# KiCad board beaglebone-ai-rev-a2.kicad_pcb (continued)
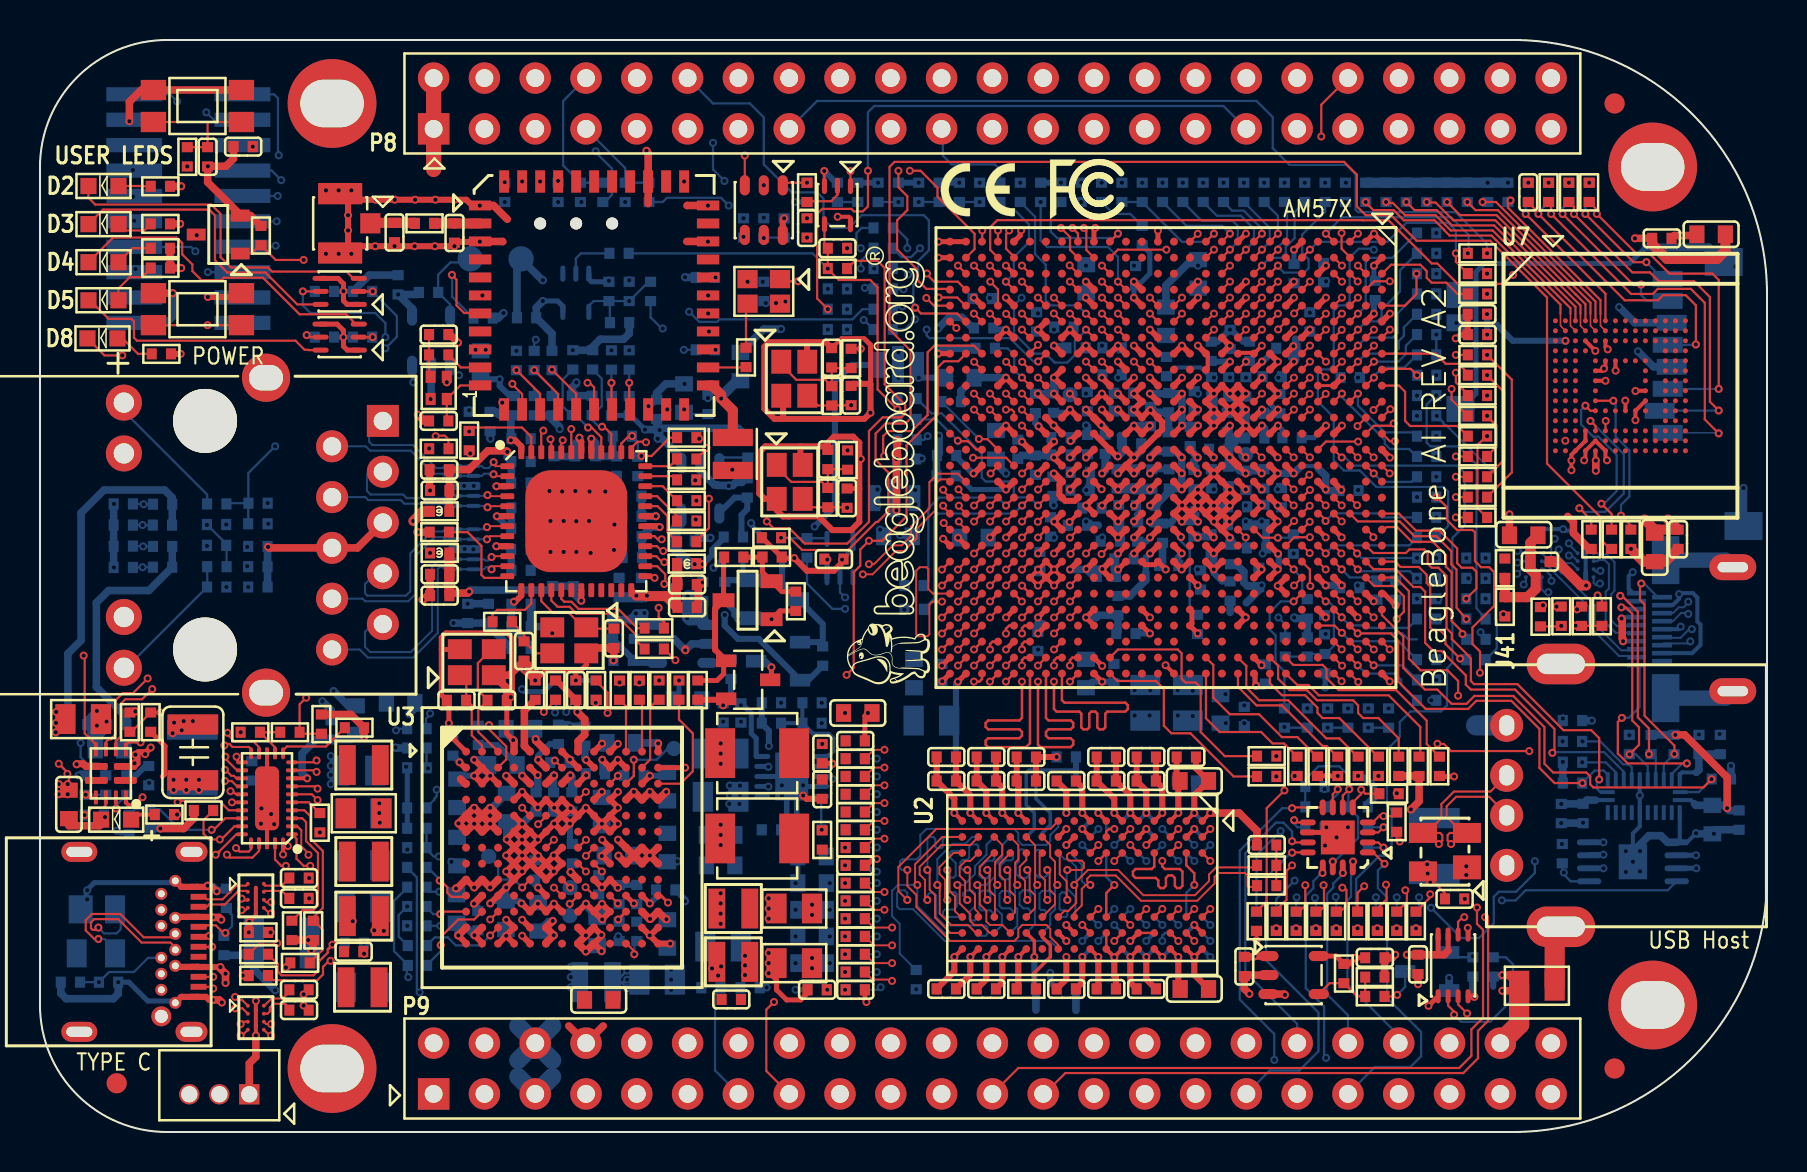
[diagram p0: board, top side]
## Routing (per net, layer and track width the routed paths; a pad name or vN(x,y) marks a point on that pad's centre or on a via; arc(x,y) is an arc through that point) (continued)
  BOTTOM w0.203: U2.B1 v1(57.72,15.95) U11.A9 ; U92.B2 U92.B1 74.7,29.59 75.26,30.15 v1(76.16,30.15) 76.24,30.07 76.66,30.07 77.29,29.44 U91.B1 U91.B2 ; U2.T9 v1(45.72,8.75) ; U2.J2 v1(51.32,14.35) ; U2.B9 v1(57.72,8.75) ; U5.5 v1(80,16.83) U5.18 80,15.28 79.65,14.94 79.65,14.02 ; U2.P9 v1(47.32,8.75) ; U2.M9 v1(48.92,8.75) ; J91.16 81.64,26.35 81.97,26.67 v1(81.97,26.9) 82.02,26.95 82.65,26.95 82.88,26.72 82.88,25.53 83.03,25.37 83.03,24.36 82.62,23.95 J91.4 ; 79.89,25.75 J91.13 79.24,25.75 79.18,25.69 79.16,25.69 79.15,25.68 79.09,25.68 v1(79.09,25.68) ; v1(53.72,8.74) 53.72,8.75 U2.G9 ; U11.D1 v1(55.32,8.75) U11.E1 ; U2.P1 v1(47.32,15.95) ; C215.2 58.52,37.74 58.04,38.23 56.79,38.23 56.35,37.8 C210.2 ; U2.G1 v1(52.92,15.95) ; v1(82.04,25.27) 81.91,25.15 J91.10 ; U2.E2 v1(55.32,15.15) U11.D8 ; U2.M1 v1(48.92,15.95) ; U2.T1 v1(45.72,15.95) ; v1(79.16,24.54) 79.17,24.55 J91.7 79.89,24.55 ; v1(82.81,14.94) 82.36,14.49 U48.1 82,14.64 U5.13 ; U11.F9 v1(54.52,15.95) ; U2.E8 v1(54.52,9.55) ; U2.J8 v1(51.32,10.35)
  BOTTOM w0.254: C272.2 66.7,42.63 66.7,43.32 v1(66.71,43.33) ; R387.2 v1(15.18,39.75) R389.2 ; C91.2 C90.2 38.13,13.78 C92.2 C8.2 ; J42.B1 6.67,6.55 5.38,6.55 4.44,7.49 v1(3.91,7.49) ; v1(31.95,22.58) 31.95,21.59 C461.2 ; v1(62.71,44.12) 62.71,44.12 C259.2 ; U1.4 38.16,17.28 v1(38.16,17.34) ; U91.B2 77.29,27.36 v1(77.32,27.33) ; C267.2 v1(64.26,22.23) ; U8.3 39.35,28.46 39.37,28.47 v1(39.37,28.63) ; C495.2 27.58,42.52 27.45,42.66 U90.3 ; v1(37.1,17.34) 37.1,17.78 U1.8 ; v1(41.85,13.02) 41.66,13.02 41.34,13.34 C153.1 ; v1(35.56,30.45) 35.56,30.35 36.09,29.82 C69.2 ; C320.1 v1(26.8,22.58) ; C41.1 v1(37.78,7.11) ; v1(30.49,9.83) 29.84,10.48 R103.1 ; v1(64.3,35.33) 63.7,34.72 C242.2 ; C492.2 51.21,39.33 v1(50.7,39.33) ; R661.2 32.79,42.75 v1(32.26,42.75) ; R392.2 15.18,42.04 ; 15.18,42.04 R390.2 ; 15.18,42.04 v1(15.18,42.05) ; R182.2 v1(67.79,26.34) ; 61.54,35.94 C245.2 61.54,36.36 ; R533.2 9.3,12.14 8.86,12.14 8.69,12.32 v1(8.38,12.32) ; J42.B12 6.68,12.47 2.72,12.47 2.36,12.12 v1(2.36,12.09) 2.31,12.04 2.31,11.41 D78.1
  BOTTOM w0.305: v1(57.72,8.75) 57.72,7.87 C39.2 ; v1(30.5,17.81) 31.2,17.81 C115.2 ; R596.2 39.8,47.47 v1(39.22,48.06) ; v1(53.72,8.74) 53.72,7.8 53.8,7.71 C40.2 ; C24.2 54.52,16.84 v1(54.52,15.95) ; C133.2 28.12,17.92 v1(28.12,18.62) ; C202.2 55.6,33.14 C193.2 ; R22.1 48.92,7.24 v1(48.92,8.75) ; v1(45.72,15.95) 45.72,16.67 C22.2 C18.2 ; v1(56.12,15.95) 56.12,17.24 C25.2 ; 72.67,7.26 R708.2 73.05,7.77 v1(73.13,7.85) ; v1(45.72,8.75) 45.72,8.04 C9.2 ; C170.2 23.3,12.21 v1(23.31,12.23) ; C170.2 22.63,11.55 v1(22.51,11.43) ; C170.2 23.96,11.55 v1(24.08,11.43) ; C36.2 55.32,7.64 v1(55.32,8.75) ; 53.15,22.52 53.63,22.52 C162.2 ; v1(60.29,25.73) 60.29,25.79 ; C19.2 47.32,17.07 v1(47.32,15.95) ; v1(26.5,15.42) 26.5,14.4 C145.2 ; C121.2 R107.1 ; C196.2 20.86,17.81 v1(21.71,17.81) ; C483.2 5.27,18.3 4.8,17.83 C44.2 ; v1(57.72,15.95) 57.72,17.47 C100.2 ; C23.2 48.92,17.47 v1(48.92,15.95) ; v1(32.26,11.54) 32.26,11.62 C117.2 ; C180.2 52.61,22.52 v1(53.11,22.52) ; C2.2 v1(22.99,37.64) 22.99,37.31 23.5,36.8 C137.2 ; C277.2 60.17,39.52 59.57,40.13 v1(59.5,40.13) 58.9,39.52 C276.2 ; C230.2 47.32,7.64 v1(47.32,8.75) ; C114.2 31.39,13.49 31.83,13.49 v1(31.88,13.54) ; C20.2 51.32,17.07 v1(51.32,15.95) ; v1(2.84,20.32) v1(2.84,21.06) ; R690.2 v1(43.94,47.47)
  BOTTOM w0.381: 30.43,36.25 v1(30.43,36.3) 30.76,36.63 C82.2 30.84,36.96 31.29,37.41 C3.2 v1(32.23,37.41) ; v1(37.06,40.16) 36.19,40.16 C464.2 ; R100.2 46.05,37.06 C37.2 46.72,37.73 v1(48.3,37.73) ; v1(50.7,37.73) 50.7,36.95 C148.2 50.66,36.92 C136.2 ; C169.2 23.34,15.51 ; 23.34,15.51 v1(23.34,14.63) ; 23.34,15.51 24.02,15.51 v1(24.11,15.41) 24.72,16.02 C157.2 ; U9.2 19.56,36.68 v1(19.53,36.65) ; 21.21,32.31 v1(21.21,32.31) 21.21,32.31 ; 21.21,32.31 21.21,32.31 ; 21.21,32.31 U17.3 v1(21.69,32.31) ; U48.1 81.39,14.49 81.06,14.82 80.45,14.82 79.65,14.02 v1(79.65,13.51) ; C34.2 3.36,20.54 v1(2.84,21.06) 2.36,20.57 C457.2 ; C34.2 3.36,20.23 2.97,19.84 2.97,19.33 C33.2 ; C34.2 2.9,20.37 v1(2.84,20.32) ; R572.1 v1(65.41,15.24) v1(64.33,15.24) R571.2 ; v1(28.1,11.41) 28.09,11.4 28.09,11.17 27.77,10.85 27.3,11.32 v1(27.3,11.42) ; v1(6.64,41.95) 6.64,40.78 6.32,40.46 P2.20 ; v1(76.07,15.45) C497.2 76.08,15.45 C32.2 v1(77.17,15.47) ; 33.02,33.47 U16.2 33.02,33.07 33.73,32.36 33.86,32.36 33.88,32.33 34.42,32.33 v1(34.44,32.31) 34.47,32.33 34.65,32.33 34.8,32.49 35.1,32.49 35.31,32.69 R135.2 ; v1(11.76,7.09) 10.69,8.15 C29.2 10.08,8.84 D46.1 ; J90.6 79.75,40.47 v1(78.97,41.25) ; R104.1 30.49,17.83 v1(30.5,17.81) ; C190.2 55.8,35.99 C200.2 56.44,35.01 C199.2 ; v1(23.66,19.6) 23.31,19.95 C164.2 ; C184.2 53.26,33.08 v1(53.11,32.93) ; v1(2.84,20.32) 2.77,20.24 C33.2 ; v1(2.84,20.32) 2.79,20.37 C457.2 ; v1(21.72,9.84) 21.13,10.44 C194.2 20.92,10.38 v1(20.92,9.83) ; v1(21.71,18.61) 22.18,18.61 C172.2 22.51,18.28 v1(22.51,17.81) ; C126.2 30.89,19.46 v1(30.91,19.43) ; C33.2 2.55,19.34 2.55,20.18 C457.2 ; C171.2 55.07,34.09 v1(54.71,33.73) ; C77.2 31.7,24.66 v1(32.27,24.09) 32.59,24.41 U15.2 ; v1(53.91,28.93) 53.73,28.75 C179.2 53.73,28.12 53.81,28.03 ; v1(21.67,29.14) 21.25,29.14 v1(21.23,29.16) 21.22,29.14 U18.8 ; C149.2 50.65,31.38 v1(50.69,31.34) ; C30.2 82.84,14.91 v1(82.81,14.94) ; C30.2 83.83,15.12 C31.2 ; C30.2 v1(83.71,14.91) ; R390.2 16.46,42.85 C27.2 ; C152.2 26.41,20.37 v1(26.49,20.29) C134.2 ; R534.2 1.04,6.93 1.31,6.66 3.67,6.66 3.91,6.91 v1(3.91,7.49) ; v1(25.62,24.94) 25.29,25.27 C85.2 C86.2 ; C237.2 61.16,22.31 v1(60.81,22.31) ; v1(32.26,42.75) 32.27,42.74 R661.2 ; v1(3.7,28.23) R77.2 R78.2 R73.2 3.68,31.39 v1(3.7,31.41) R72.2 ; C119.2 53.9,25.01 C204.2 52.94,25.84 52.83,25.73 v1(52.31,25.73) ; v1(14.12,21.54) 14.55,21.11 C28.2 ; 60.73,30.4 C236.2 61.32,30.3 C254.2 ; 59.84,33.22 59.99,33.07 C279.2 61.13,33.07 C273.2 ; C216.2 59.84,34.6 ; C216.2 59.43,34.6 ; C216.2 59.43,33.8 v1(59.49,33.73) 59.44,33.68 C223.2 ; v1(25.15,42.6) 25.13,42.6 TP5.1 23.85,43.46 C84.2 ; R98.2 v1(42.86,34.61) 42.85,34.59 R99.2 ; 60.33,26.47 60.95,27.09 C235.2 60.89,27.31 60.38,27.31 60.2,27.48 60.2,28.02 59.82,28.4 C112.2 ; 38.13,15.62 C92.2 37.66,14.6 ; C205.2 57.7,33.54 v1(57.89,33.73) 57.51,34.11 C203.2 ; C187.2 54.89,30.86 ; R166.2 v1(11.42,30.42) ; C274.2 62.79,39.65 ; C274.2 62.79,38.61 v1(62.7,38.53) ; C274.2 62.58,38.73 ; v1(59.5,35.33) 59.37,35.19 C217.2 59.66,34.71 C234.2 ; v1(50.71,34.53) 50.57,34.66 C106.2 ; C224.2 59.51,25.98 ; v1(52.32,32.1) C109.2 52.5,32.11 C108.2 52.37,32.99 v1(52.31,32.93) ; 53.15,22.52 v1(53.11,22.52) ; C198.2 56.3,42.33 57.6,43.63 C208.2 ; v1(44.91,38.92) 45.18,39.19 R112.2 ; C178.2 53.86,32.98 v1(53.91,32.93) ; C197.2 56.13,28.51 C201.2 56.09,28.34 v1(56.29,28.13) ; C123.2 44.83,33.81 R7.1 44.96,33.93 v1(44.96,34.82) ; Q17.2 v1(70.47,7.7) ; 53.81,28.03 C174.2 ; 53.81,28.03 v1(53.91,28.13) ; v1(52.3,35.34) 52.38,35.26 C159.2 ; v1(26.82,37.49) 26.82,37.44 26.62,37.24 R187.2 R181.2 ; C466.2 66.4,16.41 66.67,16.68 66.67,17.31 66.27,17.7 ; C211.2 58.45,29.78 C206.2 ; C125.2 46.63,40.21 46.1,40.74 45.47,40.74 v1(44.91,40.18) ; U17.8 21.21,32.31 ; R10.1 49.07,33.83 C138.2 50.54,33.83 C107.2 50.71,33.73 v1(50.71,33.73) ; v1(33.53,29.72) 33.5,29.69 32.87,29.69 C83.2 ; C233.2 C245.2 ; R659.2 71.65,6.83 v1(71.73,6.76) ; v1(48.3,35.33) 48.06,35.08 C116.2 ; C498.2 v1(82.96,19.88) ; C135.2 v1(21.39,26.42) ; C158.2 52.92,30.34
  BOTTOM w1.016: 73.34,20.34 71.82,20.34
  vias: v1(2.36,11.63) v1(3.33,20.52) v1(4.65,48.11) v1(4.65,46.77) v1(4.71,45.57) v1(4.78,43.15) v1(6.71,20.47) v1(6.63,19.94) v1(7.09,20.09) v1(7.19,20.55) v1(7.65,20.55) v1(8.25,45.54) v1(9.31,30.38) v1(9.68,4.39) v1(10.04,19.99) v1(10.36,29.26) v1(10.36,28.3) v1(11.07,16.18) v1(11.05,15.42) v1(11.56,15.9) v1(11.71,15.39) v1(14.3,47.09) v1(14.3,43.92) v1(14.55,36.4) v1(14.94,47.09) v1(14.94,43.92) v1(15.57,47.09) v1(15.57,43.92) v1(16.21,12.14) v1(16.21,9.45) v1(16.21,8.92) v1(16.64,12.14) v1(16.69,9.4) v1(16.71,8.92) v1(16.84,20.31) v1(16.97,16.43) v1(16.97,15.95) v1(16.99,15.47) v1(17.02,19.81) v1(17.09,12.14) v1(17.17,9.4) v1(17.17,8.92) v1(17.3,20.32) v1(17.55,12.14) v1(17.83,6.86) v1(18.16,6.48) v1(18.37,14.12) v1(18.36,10.31) v1(20.57,13.51) v1(21.51,33.93) v1(22,46.33) v1(23.22,39.6) v1(25.48,32.05) v1(25.53,30.56) v1(25.53,29.01) v1(25.91,46.51) v1(26.11,32.03) v1(26.19,30.56) v1(26.19,29.01) v1(26.77,32.05) v1(26.82,30.55) v1(26.82,29.01) v1(27.48,32.03) v1(27.46,30.56) v1(27.53,28.96) v1(28.27,32.03) v1(28.7,29.11) v1(28.73,30.38) v1(28.91,9.79) v1(29.97,22.48) v1(30.96,22.58) v1(31.56,8.13) v1(31.56,7.62) v1(31.56,7.11) v1(31.67,46.25) v1(32.89,20.57) v1(32.89,15.62) v1(32.89,14.1) v1(32.89,12.57) v1(32.89,10.41) v1(32.89,8.13) v1(32.89,6.6) v1(33.4,46.33) v1(33.4,44.53) v1(35.18,45.69) v1(35.38,42.52) v1(36.19,47.35) v1(36.19,45.72) v1(36.14,42.52) v1(37.06,21.46) v1(37.1,16.83) v1(37.78,12.45) v1(37.78,11.11) v1(37.78,9.78) v1(37.78,8.45) v1(38.35,45.69) v1(38.61,11.37) v1(38.61,10.86) v1(38.61,8.7) v1(38.61,8.19) v1(39.09,21.46) v1(39.09,20.45) v1(39.12,19.41) v1(40.26,20.96) v1(40.36,44.2) v1(41.85,19.56) v1(42.93,38.99) v1(42.93,37.72) v1(43.29,27.25) v1(43.22,26.12) v1(43.81,7.14) v1(46.99,47.47) v1(47.5,41.71) v1(49.9,40.94) v1(49.91,24.13) v1(50.7,40.13) v1(50.71,29.73) v1(52.07,47.47) v1(52.3,43.33) v1(52.3,36.93) v1(52.31,30.53) v1(53.09,47.47) v1(53.1,39.33) v1(53.11,29.73) v1(53.9,37.73) v1(54.7,43.33) v1(54.74,22.1) v1(55.12,47.47) v1(55.52,22.1) v1(56.89,22.1) v1(57.15,47.47) v1(57.65,22.07) v1(57.9,43.33) v1(57.9,36.93) v1(57.89,28.13) v1(58.17,47.47) v1(58.7,37.73) v1(58.69,32.13) v1(59.18,47.47) v1(59.28,21.89) v1(59.5,37.73) v1(60.2,47.47) v1(60.3,37.73) v1(60.29,31.33) v1(60.29,30.53) v1(61.09,30.53) v1(61.09,27.34) v1(61.21,47.47) v1(61.14,28.93) v1(61.89,32.13) v1(61.82,18.8) v1(61.93,37.72) v1(62.23,47.47) v1(62.69,28.93) v1(63.25,47.47) v1(63.37,21.18) v1(64.31,42.55) v1(64.29,24.91) v1(64.26,14.33) v1(64.83,14.73) v1(65.9,37.73) v1(65.91,32.11) v1(65.89,27.33) v1(65.91,17.81) v1(66.42,16.26) v1(67.74,29.77) v1(69.93,26.64) v1(71.25,11.66) v1(71.32,13.28) v1(71.32,12.85) v1(74.02,38) v1(74.42,47.47) v1(76.28,34.57) v1(77.55,32.46) v1(79.3,14.05) v1(79.3,13) v1(80.01,14.05) v1(80.01,13.03) v1(80.42,33.17) v1(81.51,32.11) v1(82.52,33.22)
eMMC_RSTn: length 8.4
  TOP w0.114: U7.K5 77.53,36.07 v1(77.28,36.32) ; v1(78.08,31.42) 78.59,30.91 R56.2
  BOTTOM w0.114: v1(78.08,31.42) 78.21,31.42 78.84,32.05 78.84,33.86 77.93,34.77 77.67,34.77 77.06,35.38 77.06,36.11 v1(77.28,36.32)
F2_GPIO4_1: length 11
  TOP w0.114: U4.F2 v1(63.5,44.13) ; R686.1 70.8,43.52 v1(70.8,43.94)
  BOTTOM w0.114: v1(63.5,44.13) 63.89,44.51 67.37,44.51 68.33,45.47 70.41,45.47 70.8,45.07 v1(70.8,43.94)
F4_UART10_RTSN: length 40.6
  TOP w0.114: U4.F4 v1(63.5,42.53)
  SIG_L10 w0.102: v1(63.5,42.53) 63.87,42.16 64.52,42.16 64.72,41.96 64.72,40.79 64.44,40.51 64.19,40.51 63.89,40.21 63.89,34.88 64.44,34.33 64.44,33.55 65.05,32.94 65.71,32.94 67.06,31.6 67.06,25.4 67.88,24.57 67.88,20.66 66.62,19.41 65.1,19.41 63.63,17.93 63.63,13.79 62.79,12.95 62.48,12.95 62.36,12.83 62.36,11.61 62.61,11.35 63.42,11.35 63.75,11.68 v1(63.75,11.71)
  BOTTOM w0.114: v1(63.75,11.71) 63.8,11.66 R635.1
F5_GPIO4_9: length 34.4
  TOP w0.114: U4.F5 v1(62.71,40.93)
  SIG_L8 w0.102: v1(62.71,40.93) 62.7,40.93 62.29,41.34 62.29,41.91 62.04,42.16 61.72,42.16 61.47,42.42 61.47,43.5 61.21,43.75 60.96,43.75 60.71,44.01 60.71,45.09 60.22,45.57 53.87,45.57 53.59,45.85 46.93,45.85 46.35,46.42 46.35,47.75 45.82,48.29 44.04,48.29 43.69,48.64 39.31,48.64 38.73,49.21 38.73,51.44 P8.18
F8_LCD_DATA6: length 15.7
  TOP w0.114: U4.F8 v1(63.5,39.33)
  INT_L3 w0.102: v1(63.5,39.33) 63.87,39.69 67.81,39.69 68.14,40.02 68.14,45.85 67.94,46.04 P8.39
F9_LCD_DATA5: length 19.8
  TOP w0.114: U4.F9 v1(63.5,38.53)
  INT_L3 w0.102: v1(63.5,38.53) 63.9,38.93 67.58,38.93 68.45,39.8 68.45,46.1 68.77,46.42 68.77,48.6 69.16,49 69.16,51.38 P8.42
F10_LCD_DATA2: length 20.4
  TOP w0.114: U4.F10 v1(63.5,37.73)
  INT_L3 w0.102: v1(63.5,37.73) 63.5,37.72 63.89,37.34 67.26,37.34 69.44,39.52 69.44,45.29 69.98,45.82 69.98,48.26 70.56,48.84 71.7,48.84 P8.43
F11_VOUT1_D0: length 11.7
  TOP w0.114: R662.1 v1(70.8,31.75) ; U4.F11 v1(63.49,36.92)
  SIG_L8 w0.102: v1(63.49,36.92) 63.49,36.65 64.4,35.74 65.99,35.74 66.74,34.99 68.21,34.99 69.09,34.11 69.09,32.46 69.42,32.13 70.42,32.13 v1(70.8,31.75)
F12_GPIO5_3: length 28.7
  TOP w0.114: U4.F12 v1(63.5,36.13) ; R633.1 61.82,11.1 62.33,11.61 62.33,13.06 v1(62.61,13.34)
  SIG_L10 w0.102: v1(62.61,13.34) 63.37,14.1 63.37,18.05 65.85,20.52 65.85,21.65 65.48,22.02 65.48,32.25 65.21,32.51 65.15,32.51 64.13,33.53 64.13,34.16 63.12,35.18 63.12,35.69 63.5,36.07 v1(63.5,36.13)
F14_TIMER12: length 49.7
  TOP w0.114: U4.F14 63.49,33.74 v1(63.5,33.74)
  SIG_L8 w0.102: v1(63.5,33.74) 63.49,33.74 62.87,34.35 62.04,34.35 61.55,34.84 61.55,35.48 61.28,35.75 60.95,35.75 60.71,35.99 60.71,36.23 60.42,36.51 60.13,36.51 59.86,36.79 59.86,37.1 59.65,37.31 59.4,37.31 59.12,37.59 59.12,37.85 58.86,38.1 58.61,38.1 58.26,38.45 58.26,39.47 58.05,39.68 58.05,41.28 58.26,41.5 58.26,41.87 58.05,42.08 57.68,42.08 56.77,42.99 55.81,42.99 55.63,42.99 54.88,43.74 50.05,43.74 49.72,44.07 46.89,44.07 45.39,45.57 40.28,45.57 39.98,45.26 37.08,45.26 36.8,45.54 36.8,46.15 36.25,46.71 34,46.71 33.27,47.43 33.27,47.94 32.78,48.44 28.35,48.44 27.79,49 v1(27.79,49.05)
  BOTTOM w0.114: R68.1 28.24,46.51 28.6,46.86 28.6,48.18 27.79,49 v1(27.79,49.05)
F20_UART10_TXD: length 42.7
  TOP w0.114: U4.F20 63.12,29.33 v1(63.49,28.95)
  SIG_L5 w0.102: v1(63.49,28.95) 63.49,28.23 63.91,27.81 63.91,27.08 63.37,26.54 63.37,25.27 62.66,24.56 61.01,24.56 58.9,22.45 58.9,19.58 59.94,18.54 59.94,13.36 62.69,10.62 63.11,10.62 63.31,10.41 63.31,10.07 61.4,8.16 60.08,8.16 59.05,7.13 52.57,7.13 52.07,6.63 49.81,6.63 P9.24
G6_GPIO4_0: length 15.3
  TOP w0.114: U4.G6 v1(61.91,40.13) ; R684.1 v1(70.8,33.78)
  SIG_L8 w0.102: v1(61.91,40.13) 61.91,39.81 62.29,39.43 62.29,39.08 62.46,38.91 62.88,38.91 63.12,38.67 63.12,38.35 63.31,38.16 63.63,38.16 63.91,37.88 63.91,37.57 64.13,37.34 67.44,37.34 68.53,36.25 71.04,36.25 71.17,36.12 71.17,34.15 v1(70.8,33.78)
G10_VOUT1_D1: length 14.9
  TOP w0.114: R664.1 v1(70.8,30.73) ; U4.G10 v1(62.7,37.73)
  SIG_L8 w0.102: v1(62.7,37.73) 63.09,37.34 63.63,37.34 63.88,37.08 63.88,36.64 64.52,36 66.23,36 66.67,35.56 67.12,35.56 67.35,35.79 67.84,35.79 69.47,34.16 69.47,32.58 69.66,32.39 70.93,32.39 71.18,32.13 71.18,31.12 v1(70.8,30.73)
G11_LCD_DATA3: length 25.6
  TOP w0.114: U4.G11 v1(62.7,36.93)
  INT_L3 w0.102: v1(62.7,36.93) 62.77,36.93 63.14,36.55 67.03,36.55 70.28,39.8 70.28,44.75 70.71,45.19 70.71,47.52 71.81,48.62 73.56,48.62 74.14,49.2 74.14,51.21 73.03,52.32 P8.44
G12_GPIO5_2: length 28.2
  TOP w0.114: U4.G12 v1(62.7,36.13) ; v1(62.23,17.08) 61.34,16.19 61.34,11.53 R636.1
  SIG_L10 w0.102: v1(62.7,36.13) 62.7,35.09 63.88,33.91 63.88,33.45 64.71,32.63 64.71,29.64 64.35,29.29 64.15,29.29 63.88,29.02 63.88,27.1 63.53,26.75 63.53,22.76 62.89,22.12 62.89,19.84 62.23,19.18 v1(62.23,17.08)
G14_TIMER11: length 42.4
  TOP w0.114: U4.G14 v1(62.69,33.73)
  SIG_L8 w0.102: v1(62.69,33.73) 62.34,34.09 61.79,34.09 60.71,35.18 60.71,35.5 60.52,35.69 60.13,35.69 59.88,35.94 59.88,36.26 59.66,36.48 59.65,36.48 59.34,36.48 59.09,36.73 59.09,37.12 58.86,37.34 58.55,37.34 58.29,37.59 58.29,37.91 57.53,38.67 57.53,40.26 57.82,40.54 57.82,41.3 57.55,41.57 57.55,41.83 56.62,42.76 55.46,42.76 55.29,42.93 50.1,42.93 49.28,43.75 46.85,43.75 45.26,45.34 40.41,45.34 39.43,44.35 37.61,44.35 36.58,45.39 36.58,45.95 36.09,46.43 34.54,46.43 v1(34.44,46.33)
  BOTTOM w0.114: v1(34.44,46.33) 34.06,46.72 31.35,46.72 31.14,46.51 R67.1
G16_UART8_CTSN: length 13.4
  TOP w0.114: U4.G16 v1(62.69,32.13)
  INT_L3 w0.102: v1(62.69,32.13) 62.79,32.13 63.2,31.72 67.48,31.72 68.17,32.41 70.89,32.41 71.22,32.08 71.22,30.61 70.83,30.22 70.83,29.2 v1(71.32,28.7)
G17_SPI2_D0: length 22.6
  TOP w0.114: U4.G17 v1(62.69,31.33)
  SIG_L10 w0.102: v1(62.69,31.33) 63.12,30.91 63.12,22.83 62.59,22.3 62.59,20.1 61.34,18.86 61.34,17.27 61.98,16.64 61.98,15.11 v1(62.04,15.05)
  BOTTOM w0.114: v1(62.04,15.05) 60.83,13.84 R637.1
G19_CAN1_RX: length 52.8
  TOP w0.114: U4.G19 62.3,30.15 v1(62.71,30.56)
  SIG_L10 w0.102: v1(29.26,46.51) 29.34,46.51 29.77,46.94 34.97,46.94 36.72,48.69 60.78,48.69 61.72,47.75 61.72,46.69 62.32,46.08 62.32,36.69 62.11,36.48 61.76,36.48 61.54,36.27 61.54,35.05 62.31,34.28 62.31,30.96 v1(62.71,30.56)
G20_CAN1_TX: length 58.6
  TOP w0.114: U4.G20 62.72,29.74 v1(63.5,29.74)
  SIG_L10 w0.102: v1(27.08,46.51) 27.08,46.56 27.69,47.17 34.87,47.17 36.63,48.92 62.31,48.92 62.69,48.54 62.69,46.38 63.12,45.94 63.12,36.84 62.85,36.57 62.58,36.57 62.32,36.31 62.32,35.14 63.14,34.33 63.14,33.58 63.42,33.3 63.7,33.3 63.91,33.1 63.91,30.15 v1(63.5,29.74)
GPIO3_7: length 46.5
  TOP w0.114: Q18.1 10.58,43.93 11,44.35 R700.1 11.79,43.61 v1(13.18,43.61) ; U4.AH6 45.5,40.53 v1(45.82,40.21)
  SIG_L8 w0.102: v1(13.18,43.61) 13.41,43.38 21.59,43.38 22.78,44.58 22.78,47.78 23.24,48.23 25.81,48.23 26.7,47.35 26.7,46.28 26.85,46.13 27.25,46.13 27.58,45.8 27.58,45.11 27.86,44.83 30.45,44.83 31.62,43.66 34.09,43.66 34.77,42.98 34.77,41.2 35.41,40.56 40.51,40.56 41.05,40.03 43.56,40.03 43.84,39.75 45.36,39.75 v1(45.82,40.21)
GPIO3_14: length 32.3
  TOP w0.114: U4.AG3 v1(45.9,43.33) ; v1(16.64,39.75) T1.2
  SIG_L5 w0.102: v1(45.9,43.33) 45.89,43.31 42.67,43.31 42.39,43.59 23.93,43.59 22.57,42.23 19.16,42.23 16.69,39.75 v1(16.64,39.75)
  BOTTOM w0.114: R387.1 v1(16.64,39.75)
GPIO3_15: length 43.6
  TOP w0.114: U4.AG5 46.27,41.33 45.87,41.73 v1(44.94,41.73) ; v1(13.33,39.85) 13.44,39.75 T1.5
  SIG_L5 w0.102: v1(13.33,39.85) 13.8,40.32 15.58,40.32 17.74,42.48 22.42,42.48 23.75,43.81 44.26,43.81 44.54,44.09 45.19,44.09 45.47,43.81 47.55,43.81 47.88,43.48 47.88,43.17 47.88,43.16 47.88,42.35 47.69,42.16 45.37,42.16 v1(44.94,41.73)
  BOTTOM w0.114: R389.1 13.44,39.75 v1(13.33,39.85)
GPIO3_17: length 40.2
  TOP w0.114: U4.AF6 v1(46.7,40.93) ; v1(13.14,42.04) T2.5
  SIG_L5 w0.102: v1(17.27,39.75) 18.95,41.43 22.61,41.43 24.31,43.13 36.75,43.13 38.25,41.63 41.53,41.63 42.88,40.28 43.9,40.28 44.58,40.96 46.67,40.96 v1(46.7,40.93)
  BOTTOM w0.114: R392.1 v1(13.14,42.04) 13.14,41.34 13.53,40.96 16.76,40.96 17.27,40.45 v1(17.27,39.75)
GPIO3_18: length 29.5
  TOP w0.114: v1(23.11,36.47) 23.21,36.38 U37.12 ; U4.AF3 v1(46.7,43.33)
  INT_L3 w0.102: v1(46.7,43.33) 46.23,42.85 45.03,42.85 44.2,43.69 28.32,43.69 24.28,39.65 24.28,37.16 23.6,36.47 v1(23.11,36.47)
GPIO3_20: length 33.6
  TOP w0.114: v1(47.12,45.09) 47.12,44.54 U4.AF1 ; v1(20.6,42.86) 20.6,42.85 20.83,42.62 20.83,41.34 21.21,40.96 21.99,40.96 U37.7
  SIG_L5 w0.102: v1(47.12,45.09) 46.74,45.09 46.67,45.15 41.01,45.15 40.69,44.83 40.26,44.83 39.55,44.12 23.65,44.12 22.4,42.88 20.62,42.88 20.61,42.86 v1(20.6,42.86)
  BOTTOM w0.114: R338.2 20.61,41.77 20.61,42.85 v1(20.6,42.86)
GPIO3_21: length 27.3
  TOP w0.114: U4.AE3 v1(47.5,43.33)
  SIG_L5 w0.102: v1(22.12,41.83) 22.58,41.83 24.1,43.36 37.67,43.36 38.23,42.8 41.63,42.8 41.91,42.52 46.7,42.52 v1(47.5,43.33)
GPIO3_22: length 20.5
  TOP w0.114: v1(47.52,42.52) 47.9,42.14 U4.AE5
  SIG_L8 w0.102: v1(47.52,42.52) 46.1,42.52 45.47,43.15 45.47,43.89 45.26,44.09 44.68,44.09 44.35,43.76 36.58,43.76 35.74,44.6 35.74,45.01 35.48,45.27 34.69,45.27 34.26,45.69 32.73,45.69 32.21,46.21 v1(32.21,47.53)
GPIO3_23: length 31.1
  TOP w0.114: v1(23.62,37.41) 23.62,37.39 24.11,36.9 U37.13 ; U4.AE1 v1(47.9,45.09)
  INT_L3 w0.102: v1(23.62,37.41) 23.6,37.41 23.42,37.59 23.42,39.17 28.26,44.01 38.54,44.01 39.45,44.91 46.09,44.91 46.42,44.58 47.4,44.58 v1(47.9,45.09)
GPIO5_18: length 57.1
  TOP w0.114: v1(56.32,44.13) 53.9,44.13 U4.V2
  SIG_L8 w0.102: v1(76.2,12.98) 76.45,13.23 76.45,13.64 78.64,15.83 78.64,28.91 76.75,30.8 74.71,30.8 74.4,30.49 71.69,30.49 71.48,30.71 71.48,36.22 71.22,36.47 68.68,36.47 68.2,36.96 68.2,37.78 67.82,38.16 64.13,38.16 63.94,38.35 63.94,38.67 63.69,38.93 63.37,38.93 63.12,39.18 63.12,39.5 62.86,39.75 62.55,39.75 62.29,40 62.29,40.29 62.07,40.52 60.96,40.52 60.71,40.77 60.71,43.18 60.21,43.68 59.26,43.68 59.06,43.88 59.06,44.27 58.85,44.48 56.68,44.48 v1(56.32,44.13)
  BOTTOM w0.114: 76.23,13.01 v1(76.2,12.98) 76.12,13.06 R516.1 ; 76.23,13.01 76.23,12.85 76.54,12.54 U48.5 ; 76.23,13.01 76.17,13.06
GPIO5_19: length 62.5
  TOP w0.114: U4.Y1 51.9,44.93 v1(51.63,45.21) ; v1(26.14,34.59) 26.07,34.53 U14.44 ; v1(19.79,34.8) 19.81,34.82 20.24,34.82 20.43,34.64 R475.1
  SIG_L5 w0.102: v1(19.79,34.8) 18.92,34.8 18.41,35.31 18.41,36.53 15.6,39.34 13.21,39.34 12.7,39.85 12.7,42.21 13.74,43.26 22.4,43.26 23.6,44.45 30.23,44.45 31.09,45.31 40.54,45.31 40.82,45.59 51.24,45.59 v1(51.63,45.21)
  SIG_L8 w0.102: v1(19.79,34.8) 19.81,34.8 20.02,34.59 21.82,34.59 22.3,35.08 24.46,35.08 25.3,34.24 25.66,34.24 26.02,34.59 v1(26.14,34.59)
GPMC_AD0: length 33.5
  TOP w0.114: U4.M6 v1(58.7,40.92)
  SIG_L10 w0.102: v1(58.7,40.92) 58.71,40.92 59.12,40.51 60.43,40.51 60.71,40.79 60.71,41.07 60.96,41.33 61.21,41.33 61.47,41.58 61.47,46.29 60.71,47.05 60.71,47.88 60.15,48.44 41.2,48.44 41.02,48.26 41.02,46.63 v1(40.89,46.51)
  BOTTOM w0.114: R596.1 v1(40.89,46.51)
GPMC_AD1: length 10
  TOP w0.114: U4.M2 v1(58.7,44.13)
  SIG_L10 w0.102: v1(53.09,46.51) 53.23,46.37 57.01,46.37 58.35,45.03 58.35,44.48 58.53,44.3 v1(58.7,44.13)
  BOTTOM w0.114: R689.2 54.52,45.91 53.68,45.91 v1(53.09,46.51)
GPMC_AD2: length 22
  TOP w0.114: U4.L5 v1(59.5,41.73)
  SIG_L10 w0.102: v1(43.94,46.51) 46.1,46.51 46.48,46.89 56.97,46.89 58.46,45.4 59.58,45.4 59.92,45.06 59.92,42.14 v1(59.5,41.73)
  BOTTOM w0.114: v1(43.94,46.51) R693.2
GPMC_AD3: length 6.2
  TOP w0.114: U4.M1 v1(58.7,44.93)
  BOTTOM w0.114: R38.2 R493.1 57.11,44.51 58.29,44.51 v1(58.7,44.93)
GPMC_AD4: length 27.2
  TOP w0.114: U4.L6 v1(59.5,40.92)
  SIG_L10 w0.102: v1(59.5,40.92) 59.92,41.34 60.49,41.34 60.71,41.55 60.71,45.97 59.69,46.99 59.69,47.75 59.44,48.01 45.59,48.01 44.63,47.04 43.46,47.04 v1(42.93,46.51)
  BOTTOM w0.114: R164.2 v1(42.93,46.51)
GPMC_AD5: length 16.1
  TOP w0.114: U4.L4 v1(59.5,42.53)
  SIG_L10 w0.102: v1(46.99,46.51) 49.25,46.51 49.66,46.1 50.61,46.1 51.02,46.51 51.47,46.51 51.88,46.1 52.51,46.1 52.77,45.85 56.07,45.85 58.63,43.29 59.12,42.8 59.23,42.8 v1(59.5,42.53)
  BOTTOM w0.114: R162.2 v1(46.99,46.51)
GPMC_AD6: length 9.3
  TOP w0.114: U4.L3 v1(59.5,43.33)
  SIG_L10 w0.102: v1(52.07,46.51) 52.1,46.48 52.51,46.48 52.9,46.1 56.14,46.1 56.36,45.88 58.92,43.33 v1(59.5,43.33)
GPMC_AD7: length 5.2
  TOP w0.114: U4.L2 v1(59.5,44.13)
  BOTTOM w0.114: R600.1 58.09,45.57 59.64,45.57 59.89,45.31 59.89,44.51 v1(59.5,44.13)
GPMC_AD8: length 4.6
  TOP w0.114: U4.L1 v1(59.5,44.93)
  BOTTOM w0.114: R44.2 57.33,45.31 59.12,45.31 v1(59.5,44.93)
GPMC_AD9: length 4.9
  TOP w0.114: U4.K2 v1(60.3,44.13)
  BOTTOM w0.114: v1(60.3,44.13) 60.71,44.53 60.71,45.16 60.05,45.82 58.85,45.82 R601.1
GPMC_AD10: length 3.3
  TOP w0.114: U4.J1 v1(61.1,44.93)
  BOTTOM w0.114: v1(61.1,44.93) 61.09,44.94 61.09,45.19 60.2,46.08 59.61,46.08 R602.1
GPMC_AD11: length 3.6
  TOP w0.114: U4.J2 v1(61.1,44.13)
  BOTTOM w0.114: v1(61.1,44.13) 61.49,44.51 61.49,45.21 R603.1
GPMC_AD12: length 2.4
  TOP w0.114: U4.H1 v1(61.9,44.93)
  BOTTOM w0.114: v1(61.9,44.93) 61.9,44.93 61.9,45.82 R604.1
GPMC_AD13: length 5
  TOP w0.114: U4.J3 v1(61.1,43.33)
  BOTTOM w0.114: R605.1 62.74,46 62.74,44.7 62.29,44.26 62.29,43.93 62.08,43.71 61.49,43.71 61.11,43.33 v1(61.1,43.33)
GPMC_AD14: length 3.2
  TOP w0.114: U4.H2 v1(61.9,44.13)
  BOTTOM w0.114: v1(61.9,44.13) 61.9,44.25 62.36,44.7 62.36,46.38 R606.1
GPMC_AD15: length 6.3
  TOP w0.114: U4.H3 v1(61.9,43.33)
  BOTTOM w0.114: v1(61.9,43.33) 61.9,43.28 62.2,42.98 63.22,42.98 63.44,43.19 63.44,43.65 63.12,43.96 63.12,44.88 64.26,46.02 R168.2
HDMI_CLKN: length 91.8
  TOP w0.102: U4.AG16 45.91,32.92 44.89,32.92 44.48,32.5 44.48,31.19 43.56,30.28 43.56,29.81 43.09,29.34 42.65,29.34 41.71,28.4 v1(41.45,28.4)
  INT_L3 w0.102: v1(41.45,28.4) 41.11,28.4 40.72,28.01 40.72,24.46 38.13,21.87 38.13,18.34 38.68,17.78 38.68,15.98 37.03,14.33 37.03,6.91 37.74,6.2 39.22,6.2 40.06,5.36 43.81,5.36 44.45,5.99 59,5.99 60.71,7.7 68.1,7.7 70.18,9.78 70.18,13.49 69.49,14.18 69.49,19.53 69.53,19.56 69.53,19.56 71.55,21.59 71.55,23.34 74.83,26.62 74.83,28.69 75.14,29 75.74,29.23 v1(75.95,29.13)
  BOTTOM w0.102: v1(75.95,29.13) 75.95,28.79 76.29,28.45 76.59,28.45 U91.C3
HDMI_CLKP: length 91.3
  TOP w0.102: U4.AH16 45.62,32.64 45.01,32.64 44.75,32.38 44.75,31.08 43.84,30.16 43.84,29.69 43.21,29.06 42.8,29.06 41.63,27.89 v1(41.15,27.89)
  INT_L3 w0.102: v1(41.15,27.89) 41.07,27.89 40.97,27.79 40.97,24.36 38.38,21.77 38.38,18.44 38.94,17.89 38.94,15.88 37.29,14.22 37.29,7.01 37.85,6.45 39.32,6.45 40.16,5.61 43.71,5.61 44.34,6.25 58.9,6.25 60.6,7.95 67.99,7.95 69.93,9.88 69.93,13.39 69.24,14.07 69.24,19.63 69.27,19.66 69.27,19.67 71.3,21.69 71.3,23.44 74.57,26.72 74.57,28.79 75,29.21 75.65,29.46 v1(75.74,29.67)
  BOTTOM w0.102: U91.C4 76.89,27.75 76.47,28.17 76.17,28.17 75.56,28.78 75.56,29.44 75.74,29.62 v1(75.74,29.67)
